# Altium PCB acrostar_hv_reva.PcbDoc (continued)
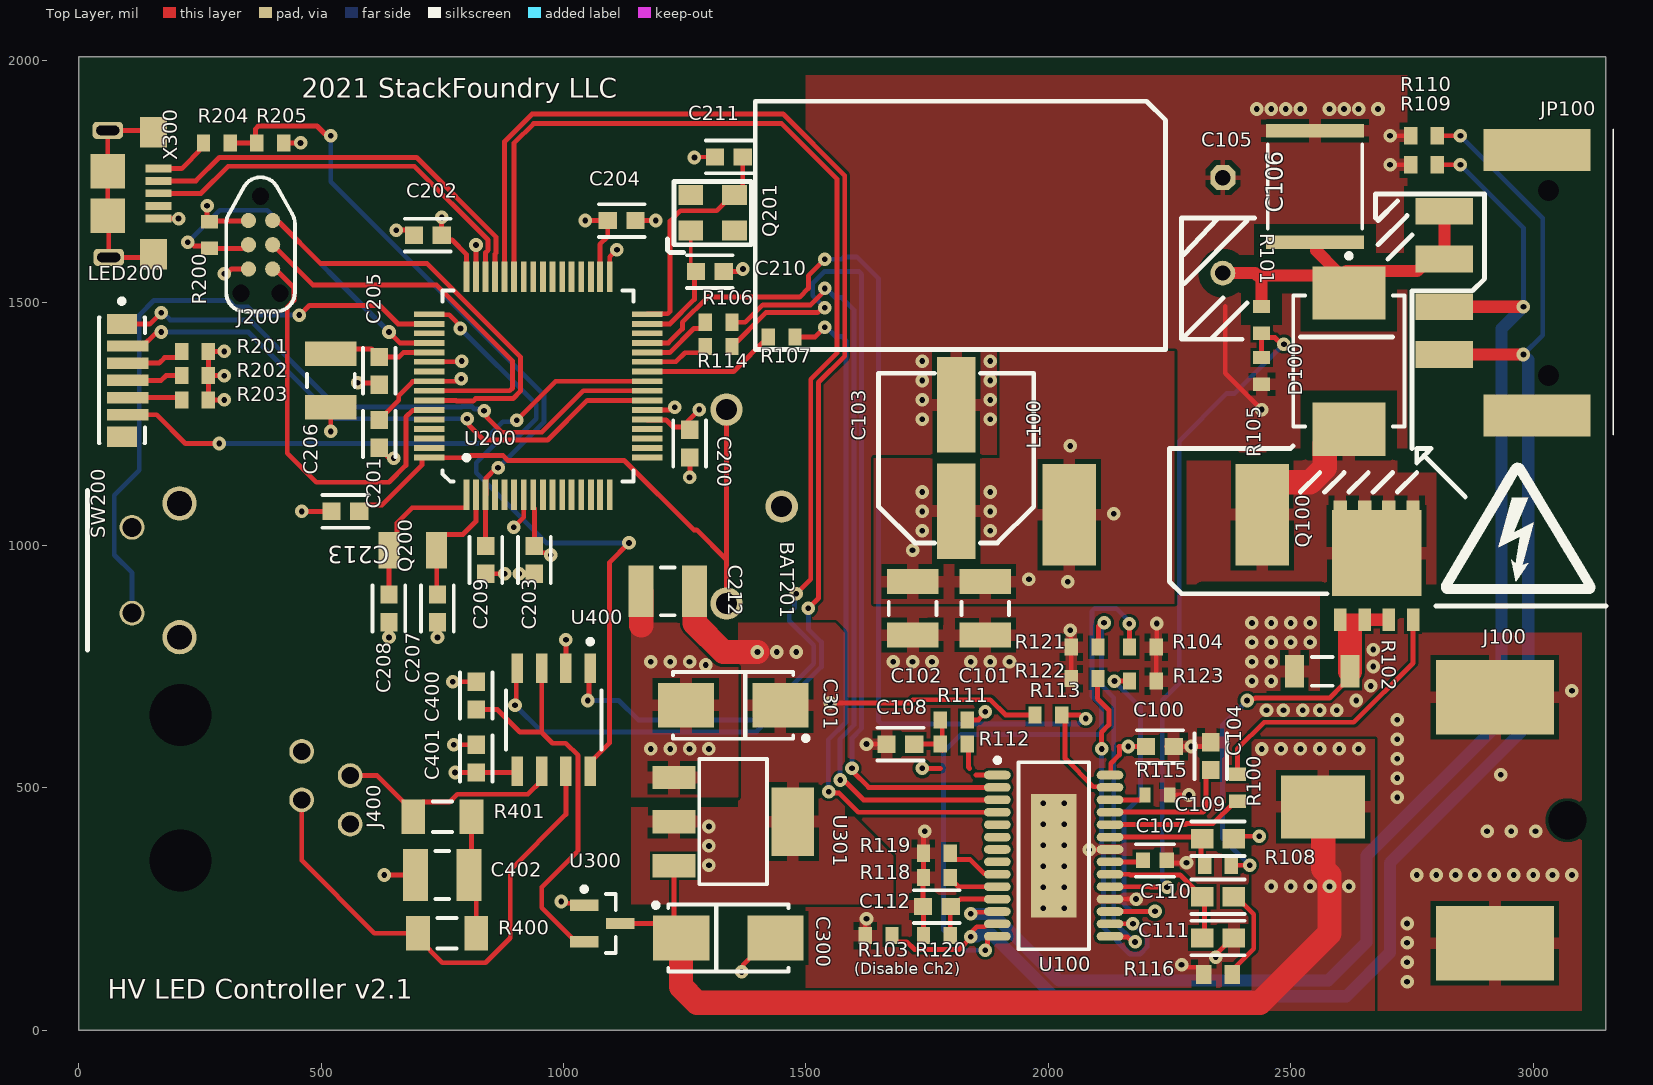
[diagram p0: Top Layer view]
## Footprints (in the part's own frame and the unit in brackets; to place one, negate y for a bottom-side part, rotate by r counter-clockwise, add the part's x,y. Pads: shape width x height; smd on the part's side, far side on the other; paste and mask are expansions set on the pad) (continued)
RESC1608-IPC-NL [mm] "Chip Resistor, 2-Leads, Body 1.60x0.80mm, IPC Medium Density"
  rect 0.7x0.9 smd: 1(-0.7,0) 2(0.7,0)
  body extent -0.8,-0.4 0.8,0.4, height 0.45
RESC3016X07N [mm] "Chip Resistor, 2-Leads, Body 3.05x1.60mm, IPC Medium Density"
  rect 1x1.7 smd: 1(-1.45,0) 2(1.45,0)
  silkscreen extent -0.55,-0.75 0.55,0.75, body extent -1.6,-0.85 1.6,0.85, height 0.7
RESC3116X65X40ML10T20 [mm] "Chip Resistor, 2-Leads, Body 3.10x1.60mm, IPC Low Density"
  rect 1.25x1.8 smd: 1(-1.525,0) 2(1.525,0)
  silkscreen extent -0.5,-0.8 0.5,0.8, body extent -1.6,-0.85 1.6,0.85, height 0.65
SOT223 [mil]
  rect 48x88 smd: 1(-91,-122) 2(0,-122) 3(91,-122)
  rect 142x87 smd: 4(0,123)
  silkscreen extent -129,-70 129,70, body extent -128,-140 128,140, height 65
SOT-23-TT3_N [mm] "SOT23, 3-Leads, Body 2.9x1.3mm, Pitch 0.95mm, Lead Span 2.4mm, IPC Medium Density"
  rect 1.5x0.6 smd: 1(-0.95,0.95) 2(-0.95,-0.95) 3(0.95,0)
  silkscreen extent -1.07,-1.55 0.7,1.92, body extent -0.7,-1.52 0.7,1.53, height 1.12
TC2030-MCP-NL [mm] "Conector ICD en placa"
  round 0.8 smd paste-0.4: 1(-1.27,-0.635) 2(-1.27,0.635) 3(0,-0.635) 4(0,0.635) 5(1.27,-0.635) 6(1.27,0.635)
  round 0.85 hole 0.9 unplated mask+0: ""(-2.54,0) ""(2.54,1.016) ""(2.54,-1.016)
  silkscreen extent -3.54,-1.8 3.5,1.8, body extent -3.54,-1.8 3.5,1.8
TE_1825027-8 [mm] "SWITCH TACTILE SPST-NO 0.05A 24V"
  round 1.3 hole 1 mask+0.05: 1(-2.25,-2.49) 2(2.25,-2.49)
  round 1.8 hole 1.3 mask+0.05: PAD(-3.505,0) PAD(3.505,0)
  silkscreen extent -4.19,-4.83 4.19,-4.83, body extent -4.2,-8.46 4.2,1.38, height 7.02
TSOP65P640X120_HS-29N [mm] "TSOP, 28-Leads, Body 9.70x4.40mm, Pitch 0.65mm, Thermal Pad 6.46x2.40mm, IPC Medium Density"
  oval 1.4x0.45 smd: 1(-2.95,4.225) 2(-2.95,3.575) 3(-2.95,2.925) 4(-2.95,2.275) 5(-2.95,1.625) 6(-2.95,0.975) 7(-2.95,0.325) 8(-2.95,-0.325) 9(-2.95,-0.975) 10(-2.95,-1.625) 11(-2.95,-2.275) 12(-2.95,-2.925) 13(-2.95,-3.575) 14(-2.95,-4.225) 15(2.95,-4.225) 16(2.95,-3.575) 17(2.95,-2.925) 18(2.95,-2.275) 19(2.95,-1.625) 20(2.95,-0.975) 21(2.95,-0.325) 22(2.95,0.325) 23(2.95,0.975) 24(2.95,1.625) 25(2.95,2.275) 26(2.95,2.925) 27(2.95,3.575) 28(2.95,4.225)
  rect 2.4x6.46 smd: 29(0,0)
  silkscreen extent -3.07,-4.9 1.85,5.12, body extent -3.2,-4.9 3.2,4.9, height 1.2

## Part data
BAT201: library part CMP-001-0002-2, "BATTERY HOLDER COIN PC PIN"
C100 C104: library part CMP-001-00094-4, "KEMET - C0603C225K4PACTU - CAP, MLCC, X5R, 2.2UF, 16V, 0603"
C101 C102 C206 C212: library part CMP-001-00083-2, "CAP CER 4.7UF 50V X7R 1210", Case Code (Imperial)=1210, Case Code (Metric)=3225, Dielectric=X7R, Max Operating Temperature=125°C, Min Operating Temperature=-55°C, Package Quantity=1, Tolerance=10%, Voltage=50V, Capacitance=4.7uF, Case/Package=1210, Contact Plating=Tin, Depth=2.5mm, Height=1.8mm, Lead Free="Lead Free", Length=3.2mm, Material=Ceramic, Mount="Surface Mount", Packaging="Tape and Reel", Radiation Hardening=No, Thickness=0.079inch, Voltage Rating=50V, Width=0.098inch
C103: library part CMP-001-00100-1, "CAP ALUM POLY 100UF 20% 25V SMD"
C105: library part CMP-001-00093-4, "Aluminum Electrolytic Capacitors - Leaded 47uF 160V 85c 12.5x20"
C106: library part CMP-001-00099-1, "TDK         C5750X7R2E105K230KA             SMD Multilayer Ceramic Capacitor, 2220 [5750 Metric], 1 F, 250 V,  10%, X7R, C Series"
C107: library part CMP-001-00101-1, "Cap Ceramic 4.7uF 6.3V X7R 10% SMD 0603 125°C Paper T/R"
C108 C112 C200 C201 C202 C203 C204 C205 C213 C400 C401: library part CMP-001-00084-4, "Cap Ceramic 0.1uF 50V X7R 20% SMD 0603 125C Paper T/R"
C109: library part CMP-001-00098-1, "AVX - 06031C471KAT2A - SMD Multilayer Ceramic Capacitor, 470 pF, 100 V, 0603 [1608 Metric], ± 10%, X7R, AVX 0603 MLCC"
C110: library part CMP-001-00097-1, "MURATA   GRM188R71E473KA01D   SMD Multilayer Ceramic Capacitor, GRM Series, 0.047 F,  10%, X7R, 25 V, 0603 [1608 Metric]"
C111: library part CMP-001-00096-1, "CAP CER 160PF 50V C0G/NP0 0603"
C207 C208 C210 C211: library part CMP-001-00088-3, "CAP CER 5PF 50V C0G/NP0 0603", Case Code (Imperial)=0603, Case Code (Metric)=1608, Dielectric=C0G, Max Operating Temperature=125°C, Min Operating Temperature=-55°C, Package Quantity=4000, Voltage Rating=50V, Capacitance=5pF, Case/Package=0603, Depth=0.8mm, Height=0.8mm, Length=1.6mm, Mount="Surface Mount", Packaging="Tape and Reel", Radiation Hardening=No, Thickness=0.035inch, Width=0.031inch
C209: library part CMP-001-00086-5, "SAMSUNG ELECTRO-MECHANICS - CL10B223KB8NNNC - SMD Multilayer Ceramic Capacitor, 0.022 µF, 50 V, 0603 [1608 Metric], ± 10%, X7R, CL Series"
C300 C301: library part CMP-001-00089-1, "CAPACITOR TANT, 4.7UF, 25V, 10%, REEL", Capacitance=4.7uF, Case Code (Imperial)=2312, Case Code (Metric)=6032, Case/Package=Molded, Dielectric Material=Tantalum, ESR (Equivalent Series Resistance)=2.4R, Leakage Current=1.2uA, Max Operating Temperature=125°C, Min Operating Temperature=-55°C, Package Quantity=1, Tolerance=10%, Voltage=25V, Depth=3.2mm, Dissipation Factor=6%, Features="General Purpose", Height=2.6mm, Height - Seated (Max)=0.11inch, Lead Free="Lead Free", Lead Pitch=2.9mm, Length=6mm, Mount="Surface Mount,PCB", Number of Pins=2, Packaging="Tape and Reel", Polarity=Polar, Q Factor=6, Radiation Hardening=No, REACH SVHC="No SVHC", Termination=SMD/SMT, Voltage Rating=25V, Voltage Rating (DC)=25V, Width=3.2mm
C402: library part CMP-001-00083-2, "CAP CER 4.7UF 50V X7R 1210", Capacitance=4.7uF, Case Code (Imperial)=1210, Case Code (Metric)=3225, Dielectric=X7R, Max Operating Temperature=125°C, Min Operating Temperature=-55°C, Package Quantity=1, Tolerance=10%, Voltage=50V, Case/Package=1210, Contact Plating=Tin, Depth=2.5mm, Height=1.8mm, Lead Free="Lead Free", Length=3.2mm, Material=Ceramic, Mount="Surface Mount", Packaging="Tape and Reel", Radiation Hardening=No, Thickness=0.079inch, Voltage Rating=50V, Width=0.098inch
D100: library part CMP-004-00036-1, "ON SEMICONDUCTOR - MBRS3201T3G - Schottky Rectifier, 200 V, 3 A, Single, DO-214AB (SMC), 2 Pins, 840 mV"
J100: library part CMP-167-0003-1, Design Item ID=PJ-0XX, Source=con-jack.SCHLIB
J200: library part CMP-147-0001-1, "Conector par ICD", Design Item ID=TC2030-SWD-NL, Source=TC2030.SchLib
J400: library part CMP-167-0000-3, "Modular Connectors / Ethernet Connectors RA 4/4 PORT 1 low profile", Color=Black, Contact Resistance=10mR, Current Rating=1.5A, Flammability Rating="UL94 V-0", Max Operating Temperature=85°C, Min Operating Temperature=-40°C, Package Quantity=2400, Voltage Rating=125V, Connector Type=PCB, Contact Material=Bronze, Contact Plating=Gold, Depth=18.03mm, Gender=Female, Glow Wire Compliant=Compliant, Height=11.58mm, Housing Color=Black, Housing Material=Thermoplastic, Lead Free="Lead Free", Length=11.18mm, Max Current Rating=1.5A, Mount="Through Hole", Number of Circuits=4, Number of Contacts=4, Number of Ports=1, Number of Positions=4, Number of Positions Loaded=4, Number of Rows=1, Number of Terminals=4, Orientation="Right Angle", Packaging=Tray, Pitch=2.54mm, Radiation Hardening=No, REACH SVHC=Unknown, Shielding=Unshielded, Termination="Through Hole", Voltage Rating (DC)=125V
JP100: library part CMP-166-0035-1, Design Item ID=M04_PUSHIN, Source=con-headers.SCHLIB
L100: library part CMP-006-00021-2, "COILCRAFT   MSS1210-473MED   INDUCTOR, PWR, 47UH, 4.6A, 20%, 6MHZ"
LED200: library part CMP-007-00038-2, "ROHM - MSL0104RGBU1 - LED ROT/GRÜN/BLAU 700/1200/400 MCD, 2709", Case/Package=SMD/SMT, Color=Blue,Green,Red, Forward Voltage=3.2V, Lens Color=White, Test Current=20mA, Dominant Wavelength=470nm, Height=2.15mm, Lead Free="Lead Free", Length=6.9mm, Lens Transparency=Diffused, Luminous Intensity=400mcd, Mount="Surface Mount", Packaging="Tape and Reel", Width=2.2mm
Q200: library part CMP-003-00031-1, "CRYSTAL 32.768KHZ 9PF SMD", Case/Package=SMD/SMT, ESR (Equivalent Series Resistance)=70kR, Frequency=32.768kHz, Frequency Tolerance=10ppm, Load Capacitance=9pF, Max Operating Temperature=85°C, Min Operating Temperature=-40°C, Package Quantity=3000, Height=0.035inch, Lead Free="Lead Free", Length=0.126inch, Mount="Surface Mount", Packaging="Tape and Reel", Termination=SMD/SMT, Tolerance=10ppm, Width=0.061inch
Q201: library part CMP-003-00030-1, "Crystal 12MHz ±20ppm (Tol) ±30ppm (Stability) 8pF FUND 250Ohm 4-Pin SMD T/R", Case/Package=SMD/SMT, ESR (Equivalent Series Resistance)=250R, Frequency=12MHz, Frequency Stability=30ppm, Frequency Tolerance=20ppm, Load Capacitance=8pF, Max Operating Temperature=70°C, Min Operating Temperature=-10°C, Package Quantity=3000, Height=0.035inch, Length=0.126inch, Mount="Surface Mount", Packaging="Tape and Reel", REACH SVHC="No SVHC", Termination=SMD/SMT, Tolerance=20ppm, Weight=0.000564oz, Width=2.5mm
R100: library part CMP-009-00190-3, "RES SMD 2 OHM 1% 1/10W 0603"
R101: library part CMP-009-00187-4, "VISHAY - CRCW06031M00FKEAHP - RES, AEC-Q200, THICK FILM, 1M, 0603"
R102: library part CMP-009-00196-1, "Res Thick Film 1206 0.1 Ohm 1% 0.25W(1/4W) ±600ppm/C Molded SMD Paper T/R"
R103 R104 R118 R121 R122 R123 R200: library part CMP-009-00178-4, "YAGEO - RC0603FR-0730KL - RES, THICK FILM, 30K, 1%, 0.1W, 0603, REEL", Case Code (Imperial)=0603, Case Code (Metric)=1608, Max Operating Temperature=155°C, Min Operating Temperature=-55°C, Package Quantity=5000, Power Rating=100mW, Resistance=30kR, Resistor Type="Thick Film", Temperature Coefficient=100ppm/°C, Tolerance=1%, Voltage Rating=50V, Case/Package=0603, Depth=0.8mm, Height=0.45mm, Lead Free="Lead Free", Length=1.6mm, Military Standard=Not, Number of Pins=2, Packaging="Tape and Reel", REACH SVHC=Unknown, Termination=SMD/SMT, Voltage Rating (DC)=50V, Width=0.8mm
R105: library part CMP-009-00194-1, "Res Thick Film 0603 14K Ohm 1% 1/10W 100ppm/C Molded SMD SMD Punched Carrier T/R"
R106 R107 R113 R114: library part CMP-009-00191-3, "Res General Purpose Thick Film 0603 10K Ohm 1% 1/10W ±100ppm/°C Molded SMD Paper T/R"
R108 R201 R202 R203: library part CMP-009-00183-2, "YAGEO - RC0603JR-07220RL - SMD Chip Resistor, 0603 [1608 Metric], 220 ohm, RC Series, 75 V, Thick Film, 100 mW", Case Code (Imperial)=0603, Case Code (Metric)=1608, Max Operating Temperature=155°C, Min Operating Temperature=-55°C, Power Rating=100mW, Resistance=220R, Resistor Type="Thick Film", Temperature Coefficient=100ppm/°C, Tolerance=5%, Voltage Rating=50V, Working Voltage=75V, Case/Package=0603, Depth=0.8mm, Lead Free="Lead Free", Length=1.6mm, Military Standard=Not, Number of Pins=2, Number of Terminations=2, Packaging="Tape and Reel", REACH SVHC="No SVHC", Termination=SMD/SMT, Voltage Rating (DC)=50V, Width=0.8mm
R109 R110: library part CMP-009-00197-1, "Res Thick Film 0603 10M Ohm 5% 1/10W ±100ppm/°C Molded SMD SMD Paper T/R"
R111 R112 R119 R204 R205: library part CMP-009-00195-1, "Thick Film Resistors - SMD 200K OHM 5%"
R115: library part CMP-009-00201-1, "RES SMD 82K OHM 1% 1/10W 0603"
R116: library part CMP-009-00177-5, "Res Thick Film 0603 158K Ohm 1% 0.1W(1/10W) ±100ppm/°C Pad SMD T/R", Case Code (Imperial)=0603, Case Code (Metric)=1608, Max Operating Temperature=155°C, Min Operating Temperature=-55°C, Package Quantity=5000, Power Rating=100mW, Resistance=158kR, Resistor Type="Thick Film", Temperature Coefficient=100ppm/°C, Tolerance=1%, Voltage Rating=50V, Working Voltage=75V, Case/Package=0603, Depth=0.8mm, Height=0.45mm, Lead Free="Lead Free", Length=1.6mm, Military Standard=Not, Number of Terminations=2, Packaging="Tape and Reel", Termination=SMD/SMT, Voltage Rating (DC)=50V, Width=0.8mm
R120: library part CMP-009-00198-1, "Res Thick Film 0603 60.4K Ohm 1% 0.1W(1/10W) ±100ppm/C Epoxy SMD T/R"
R400 R401: library part CMP-009-00184-1, "RES SMD 62 OHM 5% 1/4W 1206", Case Code (Imperial)=1206, Case Code (Metric)=3216, Max Operating Temperature=155°C, Max Power Dissipation=250mW, Min Operating Temperature=-55°C, Package Quantity=1, Resistance=62R, Resistor Type="Thick Film", Temperature Coefficient=100ppm/°C, Tolerance=5%, Voltage Rating=200V, Case/Package=1206, Contact Plating=Tin,Matte, Depth=1.6mm, Features="Moisture Resistant", Height=0.026inch, Lead Free="Lead Free", Length=3.1mm, Military Standard=Not, Number of Terminations=2, Packaging="Tape and Reel", Power Rating=250mW, Radiation Hardening=No, Termination=SMD/SMT, Voltage Rating (DC)=200V, Width=0.063inch
SW200: library part CMP-058-0000-2, Design Item ID=SPST_NO, Source=switches.SchLib
U100: library part CMP-019-00056-4, "LED DRVR 9V/12V/15V/18V/24V 28-Pin HTSSOP EP T/R"
U200: library part CMP-020-00023-1, "IC MCU 32BIT 1MB FLASH 64TQFP", Case/Package=TQFP, Frequency=120MHz, Max Operating Temperature=85°C, Min Operating Temperature=-40°C, Core Architecture=ARM, Interface=I2C,SPI,USB,IrDA,MMC,SD,UART,USART,EBI/EMI, Memory Size=1MB, Memory Type=FLASH, Number of I/Os=51, Number of Pins=64, Oscillator Type=Internal, Packaging="Cut Tape", Peripherals="Brown-out Detect/Reset,POR,PWM,DMA"
U300: library part CMP-114-0004-2, "Pwr Sply Func; Voltage Regulator; LDO; SOT-23; PD 369.6mW; VO 3.3V; Regline +/-0.75%/V", Case/Package=SOT-23, Dropout Voltage=178mV, Input Bias Current=1.6uA, Max Input Voltage=6V, Max Operating Temperature=125°C, Max Output Current=250mA, Max Output Voltage=3.3V, Max Power Dissipation=369.6mW, Min Input Voltage=2.3V, Min Operating Temperature=-40°C, Nominal Supply Current=4uA, Output Voltage Accuracy=2%, Package Quantity=3000, Accuracy=2%, Contact Plating=Tin,Matte, Height=0.95mm, Lead Free="Lead Free", Length=2.9mm, Max Supply Voltage=6V, Min Output Voltage=3.3V, Min Supply Voltage=2.3V, Mount="Surface Mount", Nominal Output Voltage=3.3V, Number of Outputs=1, Number of Pins=3, Output Current=250mA, Output Type=Fixed, Output Voltage=3.3V, Packaging="Tape and Reel", Polarity=Positive, Power Dissipation=369.6mW, Quiescent Current=4uA, Radiation Hardening=No, REACH SVHC="No SVHC", Termination=SMD/SMT, Width=1.3mm
U301: library part CMP-091-0000-1, Design Item ID=ZLDO1117-3.3, Source=vreg.SchLib
U400: library part CMP-015-00009-1, "IC TRANSCEIVER CAN FLEX 8SOIC", Case/Package=SOIC, Max Operating Temperature=125°C, Max Supply Voltage=5.5V, Min Operating Temperature=-40°C, Min Supply Voltage=4.5V, Operating Supply Current=70mA, Package Quantity=3300, Data Rate=8Mbps, Mount="Surface Mount", Number of Pins=8, Number of Transceivers=1, Packaging="Tape and Reel", Receiver Hysteresis=200mV, Weight=0.019048oz
X300: library part CMP-190-0009-1, Design Item ID=USB-MICROB, Source=con-usb.SCHLIB
Q100: Design Item ID=NFET_3S_5D, Source=fet.SchLib

## Via types
v1: diameter 28, hole 11.81, Top Layer to Bottom Layer, 202 vias
v2: diameter 31.5, hole 11.81, Top Layer to Bottom Layer, 12 vias

## Nets (pads, with @x,y where several pads share a name; then routed paths per layer and width w, separated by ;. In a path a pad name is that pad's centre, name@x,y a point inside that pad or via, vN(x,y) a via of type N, cw(c..) or ccw(c..) an arc to the next point about the centre after c; other vN are vias at no path point)
3V3: C200.1 C201.1 C202.1 C203.1 C204.1 C212.2 C301.1 C401.1 J200.1 R113.1 R200.2 U200.8 U200.21 U200.34 U200.48 U200.56 U301.2 U301.4 U400.5 | length 1717.3
  Top Layer w10: v1(264.82,1700.18) 264.82,1672.74 R200.2 271.22,1668.78 348.78,1668.78 J200.1 ; C201.1 620,1259.53 632.96,1272.48 660,1299.53 660,1308.8 688.78,1337.58 721.99,1337.58 U200.56 779.26,1338.58 784.42,1343.74 v1(789.29,1343.74) ; v1(748.62,1676.38) C202.1 758.62,1630 770,1630 799.76,1600.24 U200.48 ; v1(776.38,531.38) C401.1 902.68,531.38 U400.5 ; U200.8 937.56,1078.67 940,1076.23 C203.1 940,997.72 952.96,984.76 963.99,984.76 968.75,980 v1(973.62,980) ; v1(1045,1670) C204.1 1091.38,1637.04 1075,1620.67 1075,1553.98 U200.34 ; U200.21 1173.4,1258.69 1191.31,1258.69 1211.31,1258.69 1225.63,1244.37 1247.04,1244.37 1249.76,1247.09 1249.76,1249.76 v1(1280,1280) ; v1(1550,675) 1714.34,675 1720.89,681.56 1880.36,681.56 1911.91,650 R113.1@1976.8,650
  Top Layer w50: C212.2 1270.71,904.41 1270.71,839.29 1330,780 v1(1400,780)
  other v1: 1300,340 1300,380 1300,420 1440,780 1480,780
5V: C400.1 U300.2 U400.3 | length 842.6
  Top Layer w10: C400.1 863.62,661.38 910,615 954.14,615 ; U400.3 955,615.86 954.14,615 ; U300.2 1024.88,182.6 955,252.48 955,295 1030,370 1030,566.58 1004.7,591.88 977.26,591.88 954.14,615
+12: C100.2 C101.2 C102.2 C103.2 C300.1 J100.1 L100.1 R111.2 U100.28 U300.3 U301.3 | length 2197.9
  Top Layer w10: U300.3 1212.56,220 C300.1@1228,204.56 ; U301.3 C300.1@1228,204.56 ; C300.1 C300.1@1228,204.56 ; R111.2 1855.83,640 1870,654.17 v1(1870,656.56) ; U100.28@2128.86,529.75 2128.86,550.04 2146.56,567.74 2146.56,584.54 2146.09,585 C100.2@2186.38,585
  Top Layer w50: C300.1 1242.56,89.29 1275.25,56.6 2436.6,56.6 2580,200 v1(2580,296.5) 2580,320 2566.93,333.07 J100.1
  other v1: 2460,296.5 2500,296.5 2540,296.5 2620,296.5 2440.07,579.93 2480,580 2520,580 2560,580 2600,580 2640,580 2165,585 2040,925 1960,930 1720,990 1740,1030 1880,1030 2135,1065 1740,1070 1880,1070 1740,1110 1880,1110 2045,1205
CH1: JP100.2 R109.2 U100.12 | length 2950
  Top Layer w10: v1(1840,240) 1843.21,243.21 1893.52,243.21 U100.12 ; R109.2 2835,1785
  Top Layer w25: JP100.2 v1(2980,1492.13)
  Bottom Layer w10: v1(2850,1785) 2980,1655 v1(2980,1492.13)
  Bottom Layer w25: v1(1840,240) 1840.57,239.43 1885.25,239.43 2022.17,102.5 2577.5,102.5 2656.16,181.16 2656.16,360 2935,638.84 2935,1447.13 v1(2980,1492.13)
CH2: JP100.1 R103.2 R110.2 U100.13 | length 3325.3
  Top Layer w10: R103.2 1677.56,191.06 1686.34,182.28 1708.11,182.28 1724.11,166.28 1815.89,166.28 1840,190.39 v1(1840,192.76) 1843.44,196.2 1843.44,204.41 1852.26,213.23 1866.58,213.23 1866.72,213.36 1868.48,213.36 1874.21,219.09 U100.13 ; R110.2@2802.56,1841.06 R110.2 v1(2850,1845)
  Top Layer w25: JP100.1 v1(2980,1393.7)
  Bottom Layer w10: v1(2850,1845) 3020,1675 3020,1433.7 v1(2980,1393.7)
  Bottom Layer w25: v1(1840,192.76) 1840.57,193.33 1852.5,193.33 1856.54,197.37 1883.46,197.37 2010.83,70 2615,70 2705,160 2705,345 2990,630 2990,1382.89 2980,1392.89 v1(2980,1393.7)
GND: BAT201.2 C100.1 C101.1 C102.1 C103.1 C104.1 C105.1 C106.2 C107.2 C108.2 C109.2 C111.2 C112.2 C200.2 C201.2 C202.2 C203.2 C204.2 C205.2 C206.1 C207.2 C208.2 C209.1 C210.2 C211.2 C212.1 C213.2 C300.2 C301.2 C400.2 C401.2 C402.1 J100.2 J100.3 J200.5 J400.1 R102.1 R103.1 R104.1 R105.1 R109.1 R110.1 R115.2 R116.1 R118.1 R119.1 R120.1 R121.1 R122.1 R123.1 R201.1 R202.1 R203.1 R205.1 SW200.1 U100.18 U100.22 U100.29 U200.7 U200.22 U200.33 U200.47 U200.54 U300.1 U301.1 U400.2 X300.5 X300.G1 X300.G2 X300.G3 X300.G4 X300.T1 X300.T2 | length 3341.4
  Top Layer w8: v1(640,810) C208.2 ; v1(740,810) C207.2 ; v1(1270,1800) 1271.02,1801.02 C211.2
  Top Layer w10: X300.G1 148.49,1594 X300.T2 61.97,1678.03 X300.G4 X300.G3 X300.T1 150.55,1855.92 X300.G2 ; X300.5 v1(206,1674) ; v1(300,1300) R203.1 R202.1 ; v1(300,1350) R202.1 ; v1(300,1400) R201.1 R202.1 ; v1(300,1560) 304.87,1560 314.87,1570 J200.5 ; R205.1 v1(457.56,1830) ; v1(460,1070) C213.2 ; v1(520,1235) C206.1 ; v1(575.18,1335.18) 616.2,1335.18 C205.2 ; C201.2 620,1200.47 640.47,1180 v1(650,1180) ; v1(630,320) C402.1 ; v1(655.18,1650.18) 681.2,1650.18 C202.2 ; U200.54 788.58,1378.58 v1(790,1380) ; v1(771.38,718.62) C400.2 ; v1(773.62,588.62) C401.2 ; U200.47 v1(819.45,1619.45) ; C209.1 v1(878.62,941.38) ; v1(897.14,1037.14) 917.87,1057.87 U200.7 ; v1(908.62,941.38) C203.2 ; v1(995.28,265.28) 998.72,261.83 1038.17,261.83 U300.1 ; U400.2 v1(1005,805) ; U200.33 1095.4,1595.4 1109.87,1609.87 v1(1110.15,1609.87) ; C204.2 v1(1190,1670) ; U200.22 1219.18,1279.37 1224.5,1284.69 v1(1229.37,1284.69) ; v1(1260,1140) 1260.65,1140.65 1260.65,1180.73 C200.2 ; C210.2 1364.8,1564.8 v1(1370,1570) ; v1(1367.44,120) 1370.89,123.44 1370.89,135.26 1425.63,190 C300.2 ; R103.1 1622.44,227.44 v1(1625,230) ; v1(1625,590) C108.2@1662.44,590 ; R120.1 1742.44,253.94 C112.2 1741.38,314.09 1740.47,315 1742.44,316.97 R119.1 1742.44,407.44 v1(1745,410) ; v1(2045,825) 2046.22,823.78 2046.22,791.22 R121.1 R122.1@2047.44,735 ; v1(2084.54,372.14) 2084.79,372.39 2127.04,372.39 U100.22 ; U100.18 v1(2181,270.28) ; R123.1@2222.56,735 R104.1@2222.56,785 ; R104.1 2223.78,791.22 v1(2223.78,838.78) ; C100.1@2243.62,585 C100.1 v1(2295,585) 2326.38,585 C104.1 ; C107.2@2248.62,350 2253.62,345 v1(2285,345) ; R115.2@2252.56,485 v1(2290,485) ; v1(2274.87,135) 2279.74,135 2285.06,129.69 2309.72,129.69 2320.47,118.94 R116.1 ; v1(2345.27,150.72) 2345.27,155.59 2379.68,190 C111.2 ; 2365,1492.56 2365,1355 v1(2440,1280) ; C109.2 2387.56,400 v1(2435,400) ; v1(2705,1785) R109.1 ; v1(2705,1845) R110.1
  Top Layer w50: C212.1 1160.47,904.41 1160.47,834.53
  other v1: 2740,100 2740,140 2740,180 2740,220 2760,320 2800,320 2840,320 2880,320 2920,320 2960,320 3000,320 3040,320 3080,320 2905,410 2955,410 3005,410 2720,480 2720,520 2932.98,527.02 2720,560 1180,580 1220,580 1260,580 1300,580 2720,600 2720,640 2450,660 2485,660 2525,660 2560,660 2595,660 2635,680 3080,700 2665,710 2420,720 2460,720 2670,750 1293.18,753.18 1180,760 1220,760 1260,760 1680,760 1720,760 1760,760 1840,760 1880,760 1920,760 2420,760 2460,760 2670,785 2420,800 2460,800 2500,800 2540,800 2420,840 2460,840 2500,840 2540,840 1740,1260 1880,1260 1740,1300 1880,1300 1740,1340 1880,1340 1740,1380 1880,1380 2430,1900 2460,1900 2490,1900 2520,1900 2580,1900 2610,1900 2640,1900 2680,1900
  other v2: 1989.49,251.57 2032.8,251.57 1989.49,294.88 2032.8,294.88 1989.49,338.19 2032.8,338.19 1989.49,381.5 2032.8,381.5 1989.49,424.8 2032.8,424.8 1989.49,468.11 2032.8,468.11
NetBAT201_1: BAT201.1 BAT201.3 C213.1 U200.64 | length 1302.6
  Top Layer w10: C213.1 591.58,1082.96 625.34,1082.96 708.19,1165.8 708.19,1179.94 709.02,1180.77 803.97,1180.77 808.2,1185 875.36,1185 885.36,1175 1125.29,1175 1268.49,1031.8 1274.42,1031.8 1336.22,970 ; BAT201.3 1336.22,970 ; BAT201.1 1336.22,970
NetC104_2: C104.2 U100.25 | length 280.9
  Top Layer w10: U100.25 2127.87,450 2319.14,450 2325,455.86 C104.2@2325,536.38
NetC105_2: C105.2 C106.1 D100.1 JP100.3 JP100.4 R101.2 | length 736.7
  Top Layer w10: C105.2@2360,1552.56 C105.2
  Top Layer w25: C105.2 2425.98,1561.57 2440,1547.56 R101.2 ; 2440,1556.57 D100.1@2595,1556.57 ; C106.1@2551.22,1624.84 2552.5,1623.56 2552.5,1607.99 D100.1@2595,1565.49 ; D100.1@2600,1511.57 2611.08,1511.57 D100.1 D100.1@2600,1520.49 ; D100.1@2615,1565.49 2760.37,1565.49 2785.43,1590.55 JP100.3 JP100.4
NetC107_1: C107.1 U100.21 | length 65.3
  Top Layer w10: U100.21 2188.43,347.05 C107.1@2191.38,350
NetC108_1: C108.1 R111.1 R112.2 | length 103.1
  Top Layer w10: C108.1 R112.2 ; R112.2@1781.16,576.28 1781.16,590 1781.16,623.72 R111.1@1782.44,625
NetC109_1: C109.1 R108.1 U100.23 | length 234.6
  Top Layer w10: U100.23 2299.21,398.23 C109.1@2305,392.44 ; C109.1@2315,392.44 2315,345 R108.1@2320,340
NetC110_1: C110.1 C111.1 U100.20 | length 303.1
  Top Layer w10: U100.20@2125.81,319.98 U100.20 2167.55,321.46 2169.01,320 2272.13,320 2317.13,275 C110.1@2320,275 ; C111.1@2322.44,190 2319.57,190 2322.44,192.87 C110.1@2322.44,275
NetC110_2: C110.2 R116.2 | length 204.1
  Top Layer w10: C110.2@2387.56,275 2423.64,238.92 2423.64,167.81 2389.53,133.69 R116.2@2389.53,100
NetC112_1: C112.1 R120.2 U100.11 | length 163.1
  Top Layer w10: R120.2 1797.56,253.94 C112.1 1799.53,255 1812.48,267.96 1816.02,267.96 1818.34,270.28 U100.11
NetC205_1: C205.1 C206.2 U200.53 | length 224.1
  Top Layer w10: C206.2@510,1405.12 604.41,1405.12 620,1389.53 C205.1 660.74,1388.62 669.7,1397.58 U200.53
NetC207_1: C207.1 Q200.1 U200.2 | length 261.6
  Top Layer w10: C207.1 738.43,900.2 Q200.1 738.43,1005.75 755.08,1022.4 792.4,1022.4 819.45,1049.45 U200.2
NetC208_1: C208.1 Q200.2 U200.1 | length 336.8
  Top Layer w10: C208.1 Q200.2 656.65,1006.65 656.65,1046.65 687.67,1077.67 798.76,1077.67 799.76,1078.67 U200.1
NetC209_2: C209.2 R204.1 R205.2 U200.3 | length 1336.7
  Top Layer w10: R204.1@304.43,1830 364.88,1830 364.88,1859.14 370.74,1865 491.5,1865 508.05,1848.44 516.56,1848.44 v1(520,1845) ; C209.2 839.13,999.49 U200.3 840.13,1105.17 840.13,1138.54 861.59,1160 v1(865,1160)
  Bottom Layer w10: v1(520,1845) 520,1750 960,1310 960,1254.64 865.36,1160 v1(865,1160)
NetC210_1: C210.1 Q201.1 U200.31 | length 266.5
  Top Layer w8: Q201.1 1262.36,1575.55 C210.1
  Top Layer w10: U200.31 1219.34,1456.58 1270,1507.24 1270,1561.69 C210.1
NetC211_1: C211.1 Q201.3 U200.32 | length 477.9
  Top Layer w10: U200.32 1173.37,1477.55 1215.11,1477.55 1220,1482.44 1220,1668.9 1241.1,1690 1315.71,1690 1347.99,1722.28 Q201.3 1354.05,1722.28 1369.72,1737.95 C211.1
NetC402_2: C402.2 R400.1 R401.2 | length 248.2
  Top Layer w10: R401.2 810.04,324.92 C402.2 820.04,305.08 R400.1
NetD100_2: D100.2 L100.2 Q100.5 Q100.6 Q100.7 Q100.8 Q100.PAD | length 302.8
  Top Layer w50: L100.2 2440.94,1099.88 2471.06,1130 2540,1130 2570,1160 2570,1209.51 2600,1239.51 D100.2
NetJ200_3: J200.3 R200.1 U200.52 | length 772.2
  Top Layer w10: v1(225,1625) 229.87,1625 237.28,1617.59 264.85,1617.59 R200.1 336.62,1612.44 344.18,1620 J200.3 ; v1(640,1440) 662.42,1417.58 U200.52
  Bottom Layer w10: v1(225,1625) 291.28,1691.28 388.72,1691.28 v1(640,1440)
NetJ400_2: J400.2 R401.1 U400.6 | length 481.8
  Top Layer w10: J400.2 615.79,525 R401.1@689.96,450.83 ; R401.1 R401.1@689.96,450.83 ; U400.6 955,515 926.43,486.43 780.88,486.43 764.88,470.43 709.57,470.43 R401.1@689.96,450.83
NetJ400_3: J400.3 R400.2 U400.7 | length 1061.1
  Top Layer w10: J400.3 460,350 610,200 R400.2 699.96,189.17 749.99,139.14 839.14,139.14 890,190 890,330 1005,445 U400.7
NetLED200_1: LED200.1 U200.24 | length 1236
  Top Layer w10: LED200.1 146.46,1456.46 v1(170,1480) ; v1(836.17,1277.74) 836.17,1272.87 842.53,1266.51 842.53,1263.08 872.33,1233.28 955.44,1233.28 1040.9,1318.74 U200.24
  Bottom Layer w10: v1(170,1480) 173.57,1480 188.57,1465 352.84,1465 532.78,1285.06 789.71,1285.06 790.66,1286.02 811.37,1286.02 816.21,1281.18 832.73,1281.18 v1(836.17,1277.74)
NetLED200_2: LED200.2 U200.23 | length 1214.7
  Top Layer w10: LED200.2 132.28,1411.18 157.66,1436.56 166.56,1436.56 v1(170,1440) ; v1(801.02,1261.02) 804.46,1257.58 804.46,1248.26 835.45,1217.28 967.28,1217.28 1049.06,1299.06 U200.23
  Bottom Layer w10: v1(170,1440) 350,1440 528.98,1261.02 v1(801.02,1261.02)
NetLED200_3: LED200.3 R201.2 | length 123.6
  Top Layer w10: LED200.3 165.61,1375.75 177.15,1387.28 203.66,1387.28 212.44,1396.06 R201.2
NetLED200_4: LED200.4 R202.2 | length 115.3
  Top Layer w10: LED200.4 170.31,1340.31 180,1350 R202.2
NetLED200_5: LED200.5 R203.2 | length 113.3
  Top Layer w10: LED200.5 207.56,1304.88 R203.2
NetLED200_6: LED200.6 U200.25 | length 1149.1
  Top Layer w10: LED200.6 160.55,1269.45 220,1210 v1(290,1210) ; v1(903.28,1258.28) 983.58,1338.58 U200.25
  Bottom Layer w10: v1(290,1210) 830.24,1210 875.08,1254.83 899.83,1254.83 v1(903.28,1258.28)
NetQ100_1: Q100.1 Q100.2 Q100.3 R102.2 R108.2 | length 862.6
  Top Layer w10: R108.2@2379.53,340 v1(2415.47,340) ; v1(2410,680) 2413.44,683.44 2425.77,683.44 2427.32,685 2580,685 2606.54,711.54 2607.4,711.54 2622.09,726.22 R102.2
  Top Layer w25: Q100.1@2602.36,835.63 2602.36,846.16 2602.66,846.46 Q100.2 Q100.3
  Top Layer w50: R102.2 2622.09,826.73
  Bottom Layer w10: v1(2410,680) 2359.31,629.31 2359.31,396.16 v1(2415.47,340)
NetQ100_4: Q100.4 R100.2 | length 575.4
  Top Layer w10: R100.2@2390,529.53 2390.06,529.59 2390.06,580.06 2445,635 2630,635 2752.36,757.36 Q100.4
NetR100_1: R100.1 U100.24 | length 282
  Top Layer w10: U100.24 2282.98,423.82 2285.09,425.92 2339.55,425.92 2384.09,470.47 R100.1@2390,470.47
NetR104_2: R104.2 U100.14 | length 1263.3
  Top Layer w10: v1(1870,164.87) 1870,169.74 1874.82,174.56 1874.82,189.94 1878.39,193.5 U100.14 ; v1(2166.75,838.25) 2167.1,837.9 2167.1,790.34 R104.2
  Bottom Layer w10: v1(1870,164.87) 1825.33,164.87 1784,206.2 1784,574 1820,610 2104.14,610 2110,615.86 2110,669.14 2090,689.14 2090,864.14 2095.86,870 2139.87,870 2166.75,843.12 v1(2166.75,838.25)
NetR106_1: R106.1 U100.3 | length 1624.8
  Top Layer w10: R106.1 1374.93,1460 1410.93,1496 1509.64,1496 1539,1525.36 v1(1539,1530) ; v1(1570.96,515.96) 1577.85,515.96 1618.81,475 U100.3
  Bottom Layer w10: v1(1539,1530) 1541.93,1530 1560.97,1510.96 1574.04,1510.96 1599,1486 1599,629 1570,600 1570,516.92 v1(1570.96,515.96)
NetR106_2: R106.2 U200.28 | length 152.1
  Top Layer w10: U200.28 1218.9,1397.58 1268.6,1447.28 1283.66,1447.28 1292.44,1456.06 R106.2 ; R106.2@1290.47,1460 R106.2@1290.47,1463.94
NetR107_1: R107.1 U100.4 | length 1440.8
  Top Layer w10: R107.1@1480,1440 1486.34,1433.66 1486.34,1430 1519,1430 v1(1539,1450) ; v1(1546.92,491.92) 1550.02,488.81 1568.81,488.81 1608.21,449.41 U100.4
  Bottom Layer w10: v1(1539,1450) 1542.07,1450 1561.04,1431.03 1574.11,1431.03 1583,1422.14 1583,635.63 1545.96,598.59 1545.96,492.88 v1(1546.92,491.92)
NetR107_2: R107.2 U200.26 | length 279.6
  Top Layer w10: U200.26 1351.02,1358.58 R107.2
NetR112_1: R112.1 U100.1 | length 96.8
  Top Layer w10: R112.1 1835.06,587.5 1835.06,542.5 1837.56,540 ; 1850.28,526.18 U100.1
NetR113_2: R113.2 U100.27 U200.29 | length 2201.5
  Top Layer w10: U200.29 1216.27,1417.58 1245.19,1446.5 1245.19,1459.8 1297.39,1512 1487,1512 1505,1530 1505,1556 v1(1539,1590) ; R113.2 R113.2@2030,650 ; v1(2077.32,642.68) 2072.45,642.68 2065.13,650 2034.53,650 R113.2@2030,650 ; U100.27 2125.81,502.07 2092.93,502.07 2034.53,560.47 2034.53,645.47 R113.2@2030,650
  Bottom Layer w10: v1(1539,1590) 1574,1590 1579,1595 1605,1595 1650,1550 1650,637.41 1655.86,631.56 2062.46,631.56 2073.59,642.68 v1(2077.32,642.68)
NetR114_1: R114.1 U100.2 | length 1745.6
  Top Layer w10: R114.1 1417.56,1480 1524.14,1480 1534.14,1490 v1(1539,1490) ; v1(1595,540) 1595,535 1629.41,500.59 U100.2
  Bottom Layer w10: v1(1539,1490) 1514,1515 1514,1540.36 1538.64,1565 1609.14,1565 1615,1559.14 1615,622.37 1595,602.37 v1(1595,540)
NetR114_2: R114.2 U200.27 | length 135.4
  Top Layer w10: U200.27 1231.93,1378.58 1250.63,1397.28 1283.66,1397.28 1292.44,1406.06 R114.2
NetR115_1: R115.1 U100.26 | length 75
  Top Layer w10: U100.26 2188.66,475 2197.44,483.78 R115.1@2197.44,485
NetR118_2: R118.2 U100.10 | length 105.7
  Top Layer w10: R118.2@1799.53,315 1799.53,311.06 1814.72,295.87 U100.10
NetR119_2: R119.2 U100.9 | length 117.8
  Top Layer w10: R119.2 1797.56,361.06 1806.34,352.28 1813.23,352.28 1838.23,352.28 1867.58,322.93 1893.52,322.93 U100.9
NetR121_2: R121.2 U100.15 | length 804.6
  Top Layer w10: R121.2 2103.78,791.22 2103.78,833.91 2103.91,833.91 2110.13,840.13 v1(2115,840.13) ; U100.15 2128.76,192.03 2163.99,192.03 2174.01,182.01 v1(2178.88,182.01)
  Bottom Layer w10: v1(2115,840.13) 2111.56,836.69 2111.56,826.83 2110,825.27 2110,710.98 2135,685.98 2135,223.74 2176.73,182.01 v1(2178.88,182.01)
NetR122_2: R122.2 U100.16 | length 759.5
  Top Layer w10: R122.2 2101.28,723.72 2101.28,684.08 2125,660.36 2125,629.61 2109.39,614 2109.39,580.61 v1(2110,580) ; U100.16 2127.51,219.32 2174.32,219.32 v1(2174.55,219.55)
  Bottom Layer w10: v1(2110,580) 2110,382.04 2114,378.04 2114,211.54 2168.53,157.01 2189.24,157.01 2203.88,171.65 2203.88,192.36 2176.7,219.55 v1(2174.55,219.55)
NetR123_2: R123.2 U100.17 | length 690.5
  Top Layer w10: U100.17 2127.6,245 v1(2220,245) ; v1(2136.34,720) R123.2
  Bottom Layer w10: v1(2136.34,720) 2190,666.34 2190,480.13 2156,446.13 2156,259.92 2170.92,245 v1(2220,245)
NetR204_2: R204.2 X300.1 | length 118.4
  Top Layer w10: X300.1 212.18,1777.18 254.88,1819.88 R204.2@254.88,1830
NetSW200_2: SW200.2 U200.50 | length 1298.6
  Top Layer w10: v1(455,1475) 456.01,1475 476.01,1495 620.36,1495 658.77,1456.58 U200.50
  Bottom Layer w10: SW200.2 110,943.44 73.41,980.03 73.41,1103.41 125,1155 125,1475 155,1505 309.39,1505 323.11,1491.28 349.18,1491.28 365.47,1475 v1(455,1475)
NetU200_43: U200.43 U400.1 | length 2666.6
  Top Layer w10: U200.43 898.19,1830 938.19,1870 1450,1870 1564,1756 1564,1396.63 1510,1342.63 1510,930 v1(1480,900) ; v1(1050,680) 1052.5,682.5 1052.5,743.8 U400.1
  Bottom Layer w10: v1(1050,680) 1114.01,680 1154.01,640 1400,640 1516,756 1516,793.66 1465.69,843.98 1465.69,860.81 1476.56,871.69 1476.56,896.56 v1(1480,900)
NetU200_44: U200.44 U400.4 | length 2901
  Top Layer w10: U200.44 878.5,1832.94 935.25,1889.68 1452.94,1889.68 1580,1762.63 1580,1390 1526,1336 1526,891 v1(1505,870) ; v1(900,670) 902.5,672.5 902.5,743.8 U400.4
  Bottom Layer w10: v1(900,670) 954.68,615.32 1397.94,615.32 1532,749.37 1532,800.29 1505,827.29 v1(1505,870)
NetU200_45: U200.45 X300.2 | length 867.4
  Top Layer w10: X300.2 241.59,1751.59 290,1800 696.88,1800 860.45,1636.43 860.45,1602.47 858.82,1600.84 U200.45
NetU200_46: U200.46 X300.3 | length 844.7
  Top Layer w10: X300.3 252.19,1726 308.1,1781.9 692.35,1781.9 844.45,1629.8 844.45,1609.09 839.13,1603.78 U200.46
NetU200_49: U200.49 U400.8 | length 1391.8
  Top Layer w10: U200.49 723.99,1475.58 764.06,1475.58 771.13,1468.51 771.13,1468.38 787.32,1452.19 v1(787.32,1447.32) ; U400.8 1055,552.4 1095,592.4 1095,965 v1(1135,1005)
  Bottom Layer w10: v1(787.32,1447.32) 943.69,1290.96 943.69,1260.96 898.38,1215.66 865.3,1215.66 820,1170.36 820,1149.64 964.64,1005 v1(1135,1005)
OVP: R101.1 R105.2 U100.19 | length 1460.8
  Top Layer w10: U100.19 2209.56,295.87 2210.42,295 v1(2245,295) ; R105.2 R101.1 2448.78,1428.66 2467.49,1428.66 2481.15,1415 v1(2486.02,1415)
  Bottom Layer w10: v1(2245,295) 2245,299.86 2235,309.86 2235,680.36 2270,715.36 2270,1215 2368.28,1313.28 2384.3,1313.28 v1(2486.02,1415)
SWCLK: J200.4 U200.57 | length 824.2
  Top Layer w10: J200.4 482.71,1537.29 737.71,1537.29 895,1380 895,1324.6 889.14,1318.74 U200.57
SWDIO: J200.2 U200.58 | length 895.5
  Top Layer w10: J200.2 404.11,1665.89 414.11,1665.89 498.96,1581.04 718.96,1581.04 911,1389 911,1317.97 895.77,1302.74 818.56,1302.74 813.4,1297.58 779.43,1297.58 777.96,1299.06 U200.58
SWO: J200.6 U200.59 | length 845.2
  Top Layer w10: J200.6 405.61,1570 443.72,1531.89 443.72,1505.13 430,1491.41 430,1190 490,1130 640,1130 675,1165 675,1264.75 688.62,1278.37 721.99,1278.37 U200.59
pads on no net: J100.TAB J200. J400. J400.4 JP100. JP100.PAD LED200.7 Q201.2 Q201.4 SW200.PAD U100.5 U100.6 U100.7 U100.8 U200.4 U200.5 U200.6 U200.9 U200.10 U200.11 U200.12 U200.13 U200.14 U200.15 U200.16 U200.17 U200.18 U200.19 U200.20 U200.30 U200.35 U200.36 U200.37 U200.38 U200.39 U200.40 U200.41 U200.42 U200.51 U200.55 U200.60 U200.61 U200.62 U200.63 X300.4
copper on no net: | length 37.4
  Top Layer w10: v1(1740,540) 1777.44,540

## Polygon pours and split planes (outlines as drawn)
GND on Layer 2 "NONET_L02_P-001" (solid, pour order 0): 39.37,1968.5 39.37,39.37 3110.24,39.37 3110.24,880 2007.87,880 2007.87,1299.21 2370,1299.21 2370,1655 2735,1655 2735,1968.5
+12 on Layer 1 "NONET_L02_P-001" (solid, pour order 7): 1640,1300 1640,40 2700,40 2700,1300
3V3 on Layer 1 "NONET_L02_P-001" (solid, pour order 1): 39.37,1968.5 1614.17,1968.5 1614.17,39.37 39.37,39.37
GND on Top Layer "NONET_L02_P-001" (solid, pour order 10): 1680,1200 2740,1200 2740,1970 1680,1970
GND on Top Layer "GND_L01_P014" (solid, remove dead copper, pour order 14): 2450,1970 2450,50 1500,50 1500,1970
GND on Top Layer "NONET_L02_P-001" (solid, pour order 13): 2350,700 2600,700 2600,850 2750,850 2750,600 2350,600
NetD100_2 on Top Layer "NONET_L02_P-001" (solid, pour order 11): 2280,1380 2280,920 2800,920 2800,1150 2720,1150 2720,1380
GND on Top Layer "NONET_L02_P-001" (solid, pour order 9): 1640,860 1960,860 1960,680 1640,680
+12 on Top Layer "NONET_L02_P-001" (solid, pour order 8): 2420,600 2680,600 2680,40 2420,40
GND on Top Layer "NONET_L02_P-001" (solid, pour order 6): 2680,820 3100,820 3100,40 2680,40
GND on Top Layer "NONET_L02_P-001" (solid, pour order 5): 2320,900 2560,900 2560,700 2320,700
+12 on Top Layer "NONET_L02_P-001" (solid, pour order 4): 1900,1180 1900,1400 2260,1400 2260,880 2240,880 1640,880 1640,1180
3V3 on Top Layer "NONET_L02_P-001" (solid, pour order 3): 1140,460 1360,460 1360,840 1560,840 1580,820 1580,440 1600,440 1680,360 1680,260 1140,260
GND on Top Layer "NONET_L02_P-001" (solid, pour order 2): 1140,480 1360,480 1360,840 1140,840
GND on Bottom Layer "NONET_L02_P-001" (solid, remove dead copper, pour order 12): 1650,1530 2120,1530 2120,220 1650,220

## Silkscreen, mask and mechanical layers (free items; w line width, h text height)
Top Overlay:
  drawing of 37 lines, arcs and shapes, not listed
  text "2021 StackFoundry LLC" at 460,1923.33 h40
  text "(Disable Ch2)" at 1600,106.99 h40
  text "HV LED Controller v2.1" at 60,65 h40
Mechanical 1:
  the board outline again, w10